# Altium PCB Board.PcbDoc (part 4 of 4)
Units mm, origin at the board's own origin, x right, y up, seen from the top; angles counter-clockwise.
Board outline 69.6 x 30 mm, 6 copper layers (Top Layer, Int1 (GND), Int2 (Sign), Int3 (Sign), Int4 (PWR), Bottom Layer), stack 1.538 mm thick; 168 components, 266 nets, 1359 pads, 531 vias.
Unrouted connection lines stored in the file: 254.
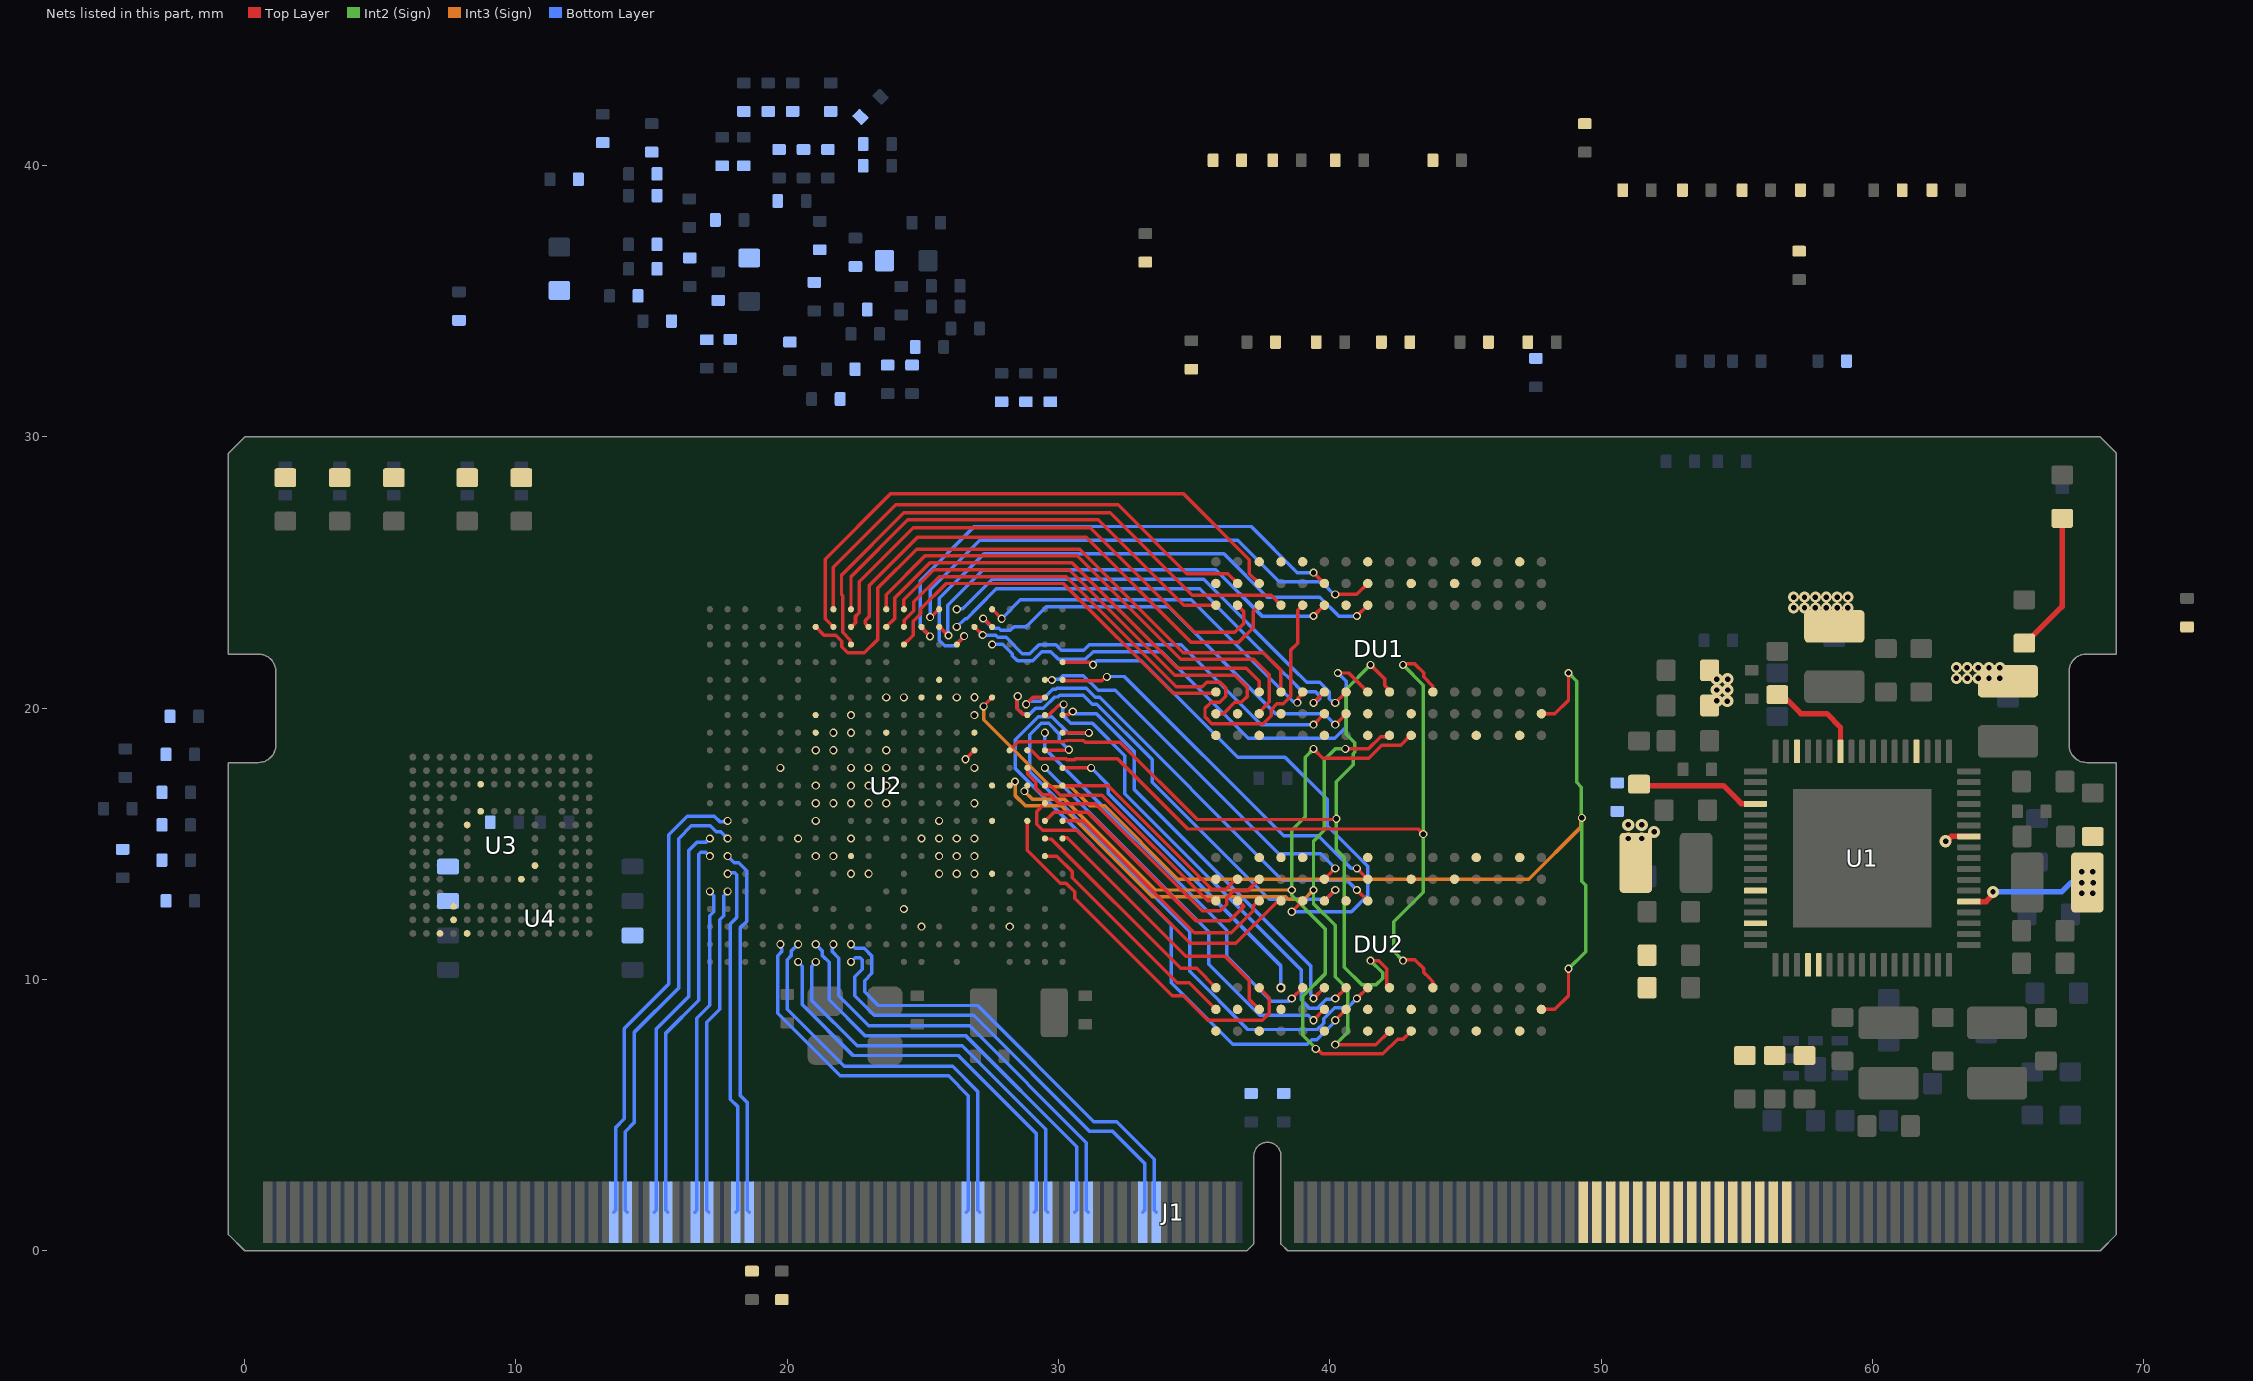
[diagram p8: the nets of this part, all layers, seen from the top]

## Via types
v1: diameter 0.3, hole 0.2, Top Layer to Bottom Layer, tented both sides, 363 vias
v2: diameter 0.45, hole 0.2, Top Layer to Bottom Layer, tented both sides, 117 vias
v3: diameter 0.4, hole 0.2, Top Layer to Bottom Layer, tented both sides, 35 vias
v4: diameter 0.8, hole 0.3, Top Layer to Bottom Layer, 16 vias

## Nets (pads, with @x,y where several pads share a name; then routed paths per layer and width w, separated by ;. In a path a pad name is that pad's centre, name@x,y a point inside that pad or via, vN(x,y) a via of type N, cw(c..) or ccw(c..) an arc to the next point about the centre after c; other vN are vias at no path point) (continued)
SDQ0: DU1.F8 U2.N20 | length 19.3
  Top Layer w0.127: U2.N20@24.95,23 24.95,22.98 25.262,22.668 v1(25.262,22.648) ; v1(39.4,25) DU1.F8@39.8,24.6
  Bottom Layer w0.127: v1(25.262,22.648) 24.9,23.01 24.9,24.7 26.9,26.7 37.1,26.7 38.8,25 v1(39.4,25)
SDQ1: DU1.H8 U2.P21 | length 19.4
  Top Layer w0.127: v1(25.265,23.359) 25.287,23.359 25.578,23.65 U2.P21@25.6,23.65 ; v1(40.2,24.2) 41,24.2 DU1.H8@41.4,24.6
  Bottom Layer w0.127: v1(25.265,23.359) 25.265,24.365 27.1,26.2 36.6,26.2 38.14,24.66 39.694,24.66 40.2,24.153 v1(40.2,24.2)
SDQ2: DU1.F7 U2.P20 | length 16.9
  Top Layer w0.127: U2.P20@25.6,23 25.612,23 25.931,22.681 v1(25.943,22.681) ; v1(39.4,23.4) DU1.F7@39.8,23.8
  Bottom Layer w0.127: 25.909,22.859 25.909,23.791 27.218,25.1 35.8,25.1 37.5,23.4 v1(39.4,23.4) ; 25.91,22.858 25.91,22.714 v1(25.943,22.681)
SDQ3: DU1.E3 U2.U21 | length 13.7
  Top Layer w0.127: U2.U21@27.55,23.65 v1(27.9,23.3) ; v1(38.807,20.209) 38.84,20.242 38.84,20.38 39,20.54 DU1.E3@39,20.6
  Bottom Layer w0.127: v1(27.9,23.3) 28.594,23.994 34.898,23.994 38.65,20.242 38.774,20.242 v1(38.807,20.209)
SDQ4: DU1.H7 U2.R19 | length 20.7
  Top Layer w0.127: U2.R19@26.25,22.35 26.25,22.37 26.519,22.639 v1(26.519,22.659) ; v1(41,23.4) DU1.H7@41.4,23.8
  Bottom Layer w0.127: v1(26.519,22.659) 26.529,22.649 26.181,22.3 25.8,22.3 25.603,22.497 25.603,22.789 25.603,23.215 25.605,23.218 25.605,24.051 27.254,25.7 36.1,25.7 37.7,24.1 39.627,24.1 40.327,23.4 v1(41,23.4)
SDQ5: DU1.F2 U2.T20 | length 15
  Top Layer w0.127: U2.T20@26.9,23 v1(27.2,22.7) ; v1(39.4,19.4) DU1.F2@39.8,19.8
  Bottom Layer w0.127: v1(27.2,22.7) 27.21,22.69 27.691,22.69 27.762,22.619 28.073,22.619 28.366,22.327 28.366,22.299 28.659,22.006 28.941,22.006 29.28,22.344 29.907,22.344 30.106,22.144 30.932,22.144 31.132,22.344 34.526,22.344 37.47,19.4 v1(39.4,19.4)
SDQ6: DU1.H3 U2.U19 | length 18.8
  Top Layer w0.127: v1(40.3,21.3) 40.7,21.3 DU1.H3@41.4,20.6
  Bottom Layer w0.127: v1(27.55,22.35) 27.55,22.437 27.586,22.437 27.657,22.366 27.94,22.366 28.3,22.006 28.3,21.941 28.489,21.752 29.046,21.752 29.385,22.091 29.709,22.091 30,21.8 30.986,21.8 31.276,22.091 33.809,22.091 37,18.9 40.182,18.9 40.6,19.318 40.6,21 v1(40.3,21.3)
SDQ7: DU1.G2 U2.U20 | length 16.3
  Top Layer w0.127: v1@27.24,23.31 U2.U20@27.55,23 U2.U20@27.571,23 ; v1(40.2,19.4) DU1.G2@40.6,19.8
  Bottom Layer w0.127: v1(27.219,23.31) 27.585,22.944 27.796,22.944 27.867,22.873 28.223,22.873 28.359,23.01 28.641,23.01 28.81,23.01 29.54,23.74 34.06,23.74 38,19.8 39.8,19.8 v1(40.2,19.4)
SDQ8: DU1.D7 U2.J19 | length 21.3
  Top Layer w0.127: U2.J19@22.35,22.35 22.33,22.37 22.33,22.511 22.044,22.797 22.044,24.156 22,24.2 22,24.9 24.3,27.2 31.9,27.2 34.934,24.166 37.835,24.166 DU1.D7@38.2,23.8
SDQ9: DU1.C8 U2.H20 | length 21.3
  Top Layer w0.127: U2.H20@21.7,23 21.394,23.306 21.394,25.494 23.8,27.9 34.617,27.9 37.035,25.482 37.035,24.966 DU1.C8@37.4,24.6
SDQ10: DU1.B8 U2.H21 | length 18.6
  Top Layer w0.127: U2.H21@21.7,23.65 21.7,25.2 24,27.5 32.2,27.5 34.734,24.966 36.235,24.966 DU1.B8@36.6,24.6
SDQ11: DU1.A7 U2.J21 | length 16.8
  Top Layer w0.127: U2.J21@22.35,23.65 22.35,24.85 24.446,26.946 31.463,26.946 34.609,23.8 DU1.A7@35.8,23.8
SDQ12: DU1.C3 U2.L20 | length 17.4
  Top Layer w0.127: U2.L20@23.65,23 23.955,23.305 23.955,24.055 25.261,25.361 30.497,25.361 34.386,21.473 36.927,21.473 37.4,21 DU1.C3@37.4,20.6
SDQ13: DU1.C2 U2.L21 | length 18.6
  Top Layer w0.127: U2.L21@23.65,23.65 23.65,24.188 25.077,25.615 30.685,25.615 34.5,21.8 37.2,21.8 37.765,21.235 37.765,20.241 37.581,20.057 37.581,20.041 37.4,19.86 DU1.C2@37.4,19.8
SDQ14: DU1.A2 U2.M21 | length 17
  Top Layer w0.127: U2.M21@24.3,23.65 24.3,24 25.408,25.108 30.392,25.108 34.281,21.219 36.497,21.219 36.965,20.751 36.965,20.449 36.732,20.216 36.499,20.216 36.083,19.8 DU1.A2@35.8,19.8
SDQ15: DU1.A3 U2.M19 | length 14.5
  Top Layer w0.127: U2.M19@24.3,22.35 24.645,22.695 24.645,23.204 24.924,23.483 24.924,23.666 25.859,24.6 30.182,24.6 34.236,20.546 35.746,20.546 DU1.A3@35.8,20.6
SDQ16: DU2.F8 U2.Y17 | length 14.3
  Top Layer w0.127: U2.Y17@29.5,21.05 29.504,21.046 29.754,21.046 v1(29.758,21.041) ; DU2.F8@39.8,13.7 v1(40.2,14.1)
  Bottom Layer w0.127: v1(29.758,21.041) 29.791,21.074 30.036,21.074 30.162,21.2 30.918,21.2 31.459,20.659 32.098,20.659 38.122,14.636 39.664,14.636 v1(40.2,14.1)
SDQ17: DU2.H8 U2.AA17 | length 14.4
  Top Layer w0.127: U2.AA17@30.15,21.05 30.191,21.009 31.593,21.009 31.739,21.155 v1(31.785,21.155) ; v1(41,14.1) DU2.H8@41.4,13.7
  Bottom Layer w0.127: v1(31.785,21.155) 31.801,21.17 32.43,21.17 38.3,15.3 39.582,15.3 40.782,14.1 v1(41,14.1)
SDQ18: DU2.H7 U2.Y16 | length 16.9
  Top Layer w0.127: v1(28.807,20.147) 29.06,20.4 U2.Y16@29.5,20.4 ; v1(41,13.3) DU2.H7@41.4,12.9
  Bottom Layer w0.127: v1(28.807,20.147) 28.915,20.255 29.34,20.255 29.786,20.701 29.902,20.701 29.94,20.738 31.021,20.738 31.354,20.405 31.514,20.405 38.255,13.665 40.635,13.665 v1(41,13.3)
SDQ19: DU2.F7 U2.W15 | length 17.8
  Top Layer w0.127: v1(28.498,20.442) 28.467,20.41 28.467,20.006 28.703,19.77 28.83,19.77 U2.W15@28.85,19.75 ; DU2.F7@39.8,12.9 v1(40.2,13.3)
  Bottom Layer w0.127: v1(28.498,20.442) 28.467,20.41 28.467,20.006 28.666,19.807 28.959,19.807 29.153,20.001 29.445,20.001 29.859,20.415 29.976,20.415 30.045,20.484 30.916,20.484 31.248,20.151 31.409,20.151 33.45,18.111 33.45,17.272 37.763,12.959 39.86,12.959 v1(40.2,13.3)
SDQ20: DU2.E3 U2.Y14 | length 14.7
  Top Layer w0.127: v1(38.6,9.3) DU2.E3@39,9.7
  Bottom Layer w0.127: v1(29.5,19.1) 29.5,18.517 36.2,11.817 36.2,10.851 37.849,9.203 38.503,9.203 v1(38.6,9.3)
SDQ21: DU2.G2 U2.AA14 | length 23.6
  Top Layer w0.127: U2.AA14@30.15,19.1 30.155,19.095 31.115,19.095 v1(31.12,19.091) ; v1(40.2,8.5) DU2.G2@40.6,8.9
  Bottom Layer w0.127: v1(31.12,19.091) 30.35,19.091 29.746,19.694 29.498,19.694 29.254,19.694 28.4,18.841 28.4,17.779 34.157,12.021 34.157,9.881 36.429,7.609 39.164,7.609 39.34,7.785 39.525,7.785 40.2,8.459 v1(40.2,8.5)
SDQ22: DU2.H3 U2.Y13 | length 22.4
  Top Layer w0.127: U2.Y13@29.5,18.45 29.511,18.46 30.372,18.46 v1(30.383,18.471) ; v1(41,9.3) DU2.H3@41.4,9.7
  Bottom Layer w0.127: v1(30.383,18.471) 30.029,18.825 30.029,19.053 29.641,19.44 29.359,19.44 28.946,19.027 28.946,17.658 34.842,11.762 34.842,10.299 36.981,8.16 39.541,8.16 39.775,8.394 39.775,8.557 40.178,8.96 40.659,8.96 v1(41,9.3)
SDQ23: DU2.F2 U2.Y12 | length 15
  Top Layer w0.127: v1(39.4,8.5) DU2.F2@39.8,8.9
  Bottom Layer w0.127: v1(29.5,17.8) 35.541,11.759 35.541,10.568 37.423,8.687 39.213,8.687 v1(39.4,8.5)
SDQ24: DU2.C8 U2.W12 | length 11.6
  Top Layer w0.127: U2.W12@28.85,17.8 28.87,17.78 28.87,17.562 29.155,17.277 29.155,17.062 29.412,16.805 29.703,16.805 30.026,16.483 31.351,16.483 35.299,12.534 35.951,12.534 36.2,12.783 36.2,13.017 36.449,13.266 36.966,13.266 DU2.C8@37.4,13.7
SDQ25: DU2.B8 U2.AA11 | length 8.2
  Top Layer w0.127: U2.AA11@30.15,17.15 31.833,17.15 35.649,13.334 36.158,13.334 36.524,13.7 DU2.B8@36.6,13.7
SDQ26: DU2.A7 U2.Y11 | length 8.1
  Top Layer w0.127: U2.Y11@29.5,17.15 29.52,17.13 29.738,17.13 30.071,16.797 31.603,16.797 35.5,12.9 DU2.A7@35.8,12.9
SDQ27: DU2.D7 U2.Y10 | length 12.4
  Top Layer w0.127: U2.Y10@29.5,16.5 29.195,16.194 29.195,15.723 29.412,15.506 30.679,15.506 34.852,11.332 36.535,11.332 38.104,12.9 DU2.D7@38.2,12.9
SDQ28: DU2.C3 U2.W9 | length 13.9
  Top Layer w0.127: U2.W9@28.85,15.85 28.85,14.768 30.062,13.556 30.277,13.556 30.6,13.232 30.6,13 34.197,9.403 34.597,9.403 35.5,8.5 37.517,8.5 37.766,8.749 37.766,9.335 DU2.C3@37.4,9.7
SDQ29: DU2.C2 U2.AA8 | length 10.3
  Top Layer w0.127: U2.AA8@30.15,15.2 30.17,15.22 30.326,15.22 34.684,10.862 36.138,10.862 37.035,9.965 37.035,9.266 DU2.C2@37.4,8.9
SDQ30: DU2.A3 U2.Y8 | length 8.6
  Top Layer w0.127: U2.Y8@29.5,15.2 29.52,15.18 29.738,15.18 34.508,10.41 35.09,10.41 DU2.A3@35.8,9.7
SDQ31: DU2.A2 U2.Y7 | length 8.8
  Top Layer w0.127: U2.Y7@29.5,14.55 29.932,14.55 30.5,13.982 30.5,13.755 34.38,9.875 34.825,9.875 DU2.A2@35.8,8.9
SDQM0: DU1.E7 U2.M20 | length 23.7
  Top Layer w0.127: U2.M20@24.3,23 24.32,23.02 24.32,23.238 24.67,23.588 24.67,23.923 25.601,24.854 30.287,24.854 34.341,20.8 35.293,20.8 35.458,20.966 35.951,20.966 36.166,20.751 36.166,20.449 35.941,20.224 35.624,20.224 35.4,20 35.4,19.683 35.649,19.435 37.551,19.435 37.835,19.718 37.835,19.951 38.049,20.166 38.282,20.166 38.566,20.449 38.566,22.147 38.82,22.401 38.82,23.62 DU1.E7@39,23.8
SDQM1: DU1.D3 U2.G20 | length 23
  Top Layer w0.127: U2.G20@21.05,23 21.355,22.695 21.788,22.695 22.005,22.477 22.005,22.262 22.223,22.045 22.845,22.045 23.344,22.544 23.344,24.444 24.769,25.869 30.79,25.869 34.605,22.054 37.546,22.054 38.2,21.4 DU1.D3@38.2,20.6
SDQM2: DU2.E7 U2.AA18 | length 19.7
  Top Layer w0.127: U2.AA18@30.16,21.71 30.17,21.7 31.128,21.7 31.224,21.604 v1(31.271,21.604) ; v1(38.6,12.5) DU2.E7@39,12.9
  Bottom Layer w0.127: v1(31.271,21.604) 31.417,21.75 33.05,21.75 36.6,18.2 38.348,18.2 39.905,16.643 39.905,15.677 41.4,14.182 41.4,13.1 40.8,12.5 v1(38.6,12.5)
SDQM3: DU2.D3 U2.AA12 | length 12
  Top Layer w0.127: U2.AA12@30.15,17.8 v1(31.2,17.8)
  Bottom Layer w0.127: v1(31.2,17.8) 31.825,17.175 31.825,16.875 38.2,10.5 v1(38.2,9.7)
SDQS0_N: DU1.G3 U2.R21 | length 17
  Top Layer w0.129: v1(40.2,20.2) DU1.G3@40.6,20.6
  Bottom Layer w0.129: v1(26.25,23.65) 26.264,23.664 26.464,23.664 27.558,24.758 35.348,24.758 38.626,21.479 39.147,20.958 39.633,20.958 39.979,20.613 39.979,20.358 40.054,20.282 40.072,20.282 40.154,20.2 v1(40.2,20.2)
SDQS0_P: DU1.F3 U2.R20 | length 16.5
  Top Layer w0.129: v1(39.4,20.2) DU1.F3@39.8,20.6
  Bottom Layer w0.129: v1(26.25,23) 26.556,23.306 26.612,23.306 27,23.694 27.706,24.4 35.2,24.4 36.447,23.153 36.7,22.9 38.247,21.353 38.5,21.1 38.999,20.601 39.485,20.601 39.621,20.465 39.621,20.358 39.546,20.282 39.528,20.282 39.446,20.2 v1(39.4,20.2)
SDQS1_N: DU1.B7 U2.J20 | length 19.3
  Top Layer w0.13: U2.J20@22.35,23 22.369,23 22.517,23.147 22.517,23.383 22.657,23.523 22.657,24.665 24.651,26.659 31.165,26.659 35.024,22.8 36.5,22.8 36.821,23.121 36.821,23.58 DU1.B7@36.6,23.8
SDQS1_P: DU1.C7 U2.K20 | length 19.3
  Top Layer w0.13: U2.K20@23,23 23,23.002 22.876,23.126 22.876,23.234 23.016,23.374 23.016,24.516 24.8,26.3 31.017,26.3 34.876,22.441 36.649,22.441 37.18,22.972 37.18,23.58 DU1.C7@37.4,23.8
SDQS2_N: DU2.G3 U2.Y15 | length 18
  Top Layer w0.129: U2.Y15@29.5,19.75 29.519,19.769 29.663,19.769 30.005,20.111 30.153,20.111 v1(30.186,20.144) ; v1(40.2,9.3) DU2.G3@40.6,9.7
  Bottom Layer w0.129: v1(30.186,20.144) 30.165,20.123 30.165,19.734 30.457,19.442 31.252,19.442 32.442,18.252 32.442,16.852 38.942,10.352 38.942,9.252 39.252,8.942 39.548,8.942 39.874,9.267 40.167,9.267 v1(40.2,9.3)
SDQS2_P: DU2.F3 U2.AA15 | length 15.8
  Top Layer w0.129: U2.AA15@30.15,19.75 30.153,19.753 30.348,19.753 30.477,19.882 v1(30.523,19.882) ; v1(39.4,9.3) DU2.F3@39.8,9.7
  Bottom Layer w0.129: v1(30.523,19.882) 30.569,19.882 30.546,19.859 30.605,19.8 31.4,19.8 32.8,18.4 32.8,17 39.3,10.5 39.3,9.447 39.4,9.346 v1(39.4,9.3)
SDQS3_N: DU2.B7 U2.Y9 | length 9.7
  Top Layer w0.13: U2.Y9@29.5,15.85 29.52,15.85 29.845,16.175 31.069,16.175 35.086,12.159 36.29,12.159 36.821,12.689 36.821,12.709 36.63,12.9 DU2.B7@36.6,12.9
SDQS3_P: DU2.C7 U2.AA9 | length 9.5
  Top Layer w0.13: U2.AA9@30.15,15.85 30.887,15.85 35.01,11.727 36.366,11.727 37.179,12.54 37.179,12.709 37.37,12.9 DU2.C7@37.4,12.9
SODT0: DU1.K1 DU2.K1 U2.W11 | length 32.1
  Top Layer w0.127: v1(28.74,16.948) 28.774,16.982 28.774,17.046 28.85,17.122 U2.W11@28.85,17.15 ; v1(39.4,18.5) 39.74,18.16 41.436,18.16 41.911,18.635 42.61,18.635 42.975,19 DU1.K1@43,19 ; v1(39.481,7.444) 39.528,7.444 39.713,7.26 41.959,7.26 42.5,7.8 42.7,7.8 DU2.K1@43,8.1
  Int2 (Sign) w0.127: v1(39.4,18.5) 39.1,18.2 39.1,16 38.6,15.5 v1(38.6,13.3) 38.6,13.1 39.84,11.86 39.84,10.222 39,9.382 39,7.953 39.481,7.472 v1(39.481,7.444)
  Int3 (Sign) w0.127: v1(28.74,16.948) 29.035,16.654 30.205,16.654 33.559,13.3 v1(38.6,13.3)
SODT1: DU1.J1 DU2.J1 U2.V11 | length 29.9
  Top Layer w0.127: U2.V11@28.2,17.15 28.224,17.15 28.374,17.3 v1(28.397,17.3) ; v1(40.2,7.6) 41.7,7.6 DU2.J1@42.2,8.1 ; v1(40.575,18.5) 41.417,18.5 41.874,18.957 42.157,18.957 DU1.J1@42.2,19
  Int2 (Sign) w0.127: v1(40.2,7.6) 40.659,8.06 40.659,9.641 40.2,10.1 40.2,12 39.4,12.8 v1(39.4,13.3) 39.4,15.1 39.8,15.5 39.8,18.1 40.2,18.5 v1(40.575,18.5)
  Int3 (Sign) w0.127: v1(28.397,17.3) 28.397,16.784 28.782,16.4 30.1,16.4 33.454,13.046 38.372,13.046 38.459,12.959 39.06,12.959 v1(39.4,13.3)
SRAS: DU1.J3 DU2.J3 U2.V13 | length 30.8
  Top Layer w0.127: U2.V13@28.2,18.45 28.509,18.759 30.19,18.759 30.225,18.794 30.277,18.794 30.294,18.811 30.918,18.811 30.979,18.75 32.265,18.75 35.115,15.9 40.217,15.9 v1(40.245,15.928) ; v1(41.5,10.7) 41.8,10.7 42.105,10.395 42.105,9.795 DU2.J3@42.2,9.7 ; v1(41.5,21.6) 42.02,21.08 42.02,20.841 42.2,20.66 DU1.J3@42.2,20.6
  Int2 (Sign) w0.127: v1(41.5,10.7) 41.947,10.253 41.947,10.047 41.7,9.8 41.2,9.8 40.541,10.459 40.541,14.5 40.245,14.795 40.245,17.29 40.868,17.913 40.868,18.328 40.915,18.374 40.915,18.734 40.6,19.05 40.6,20.7 v1(41.5,21.6)
SRST: DU1.T2 DU2.T2 U2.U16 | length 42.4
  Top Layer w0.127: v1@27.24,20.09 U2.U16@27.55,20.4 ; DU2.T2@47.8,8.9 48.3,8.9 48.8,9.4 v1(48.8,10.4) ; DU1.T2@47.8,19.8 48.3,19.8 48.8,20.3 v1(48.8,21.3)
  Int2 (Sign) w0.127: v1(48.8,10.4) 49.431,11.031 49.431,13.484 49.292,13.623 v1(49.292,15.96) 49.277,15.975 49.277,17.088 49.1,17.266 49.1,21 v1(48.8,21.3)
  Int3 (Sign) w0.127: v1(27.24,20.069) 27.241,20.068 27.241,19.578 29.714,17.104 30.455,17.104 31.159,16.4 31.7,16.4 34.4,13.7 47.336,13.7 49.259,15.624 49.259,15.927 v1(49.292,15.96)
SVREF: C80.1 C81.2 C82.2 C83.2 C113.2 DU1.H1 DU1.M8 DU2.H1 DU2.M8 R24.1 R25.2 U2.T16
  other v1: 26.904,20.405
SWE: DU1.L3 DU2.L3 U2.W13 | length 31.2
  Top Layer w0.127: U2.W13@28.85,18.45 28.87,18.43 29.011,18.43 29.301,18.14 30.278,18.14 30.309,18.109 30.591,18.109 30.622,18.14 32.173,18.14 34.765,15.549 43.26,15.549 v1(43.447,15.361) ; v1(42.7,21.6) 42.733,21.633 43.133,21.633 43.459,21.307 43.459,21.159 43.8,20.818 DU1.L3@43.8,20.6 ; v1@42.733,10.733 43.133,10.733 43.459,10.407 43.459,10.259 43.659,10.059 43.8,9.918 DU2.L3@43.8,9.7
  Int2 (Sign) w0.127: v1(42.7,10.7) 42.359,11.04 42.359,12.136 43.447,13.223 v1(43.447,15.361) 43.447,20.853 v1(42.7,21.6)
TX0_N: J1.114 U2.F1 | length 15.2
  Bottom Layer w0.128: v1(20.4,10.65) 20.4,10.635 20.547,10.489 20.547,9.079 22.426,7.2 26.3,7.2 29.172,4.328 29.172,1.493 J1.114@29.1,1.422
TX0_P: J1.116 U2.G1 | length 15.2
  Bottom Layer w0.128: v1(21.05,10.65) 21.05,10.635 20.904,10.489 20.904,9.227 22.574,7.557 26.448,7.557 29.529,4.476 29.529,1.493 J1.116@29.6,1.422
TX1_N: J1.120 U2.G2 | length 16.1
  Bottom Layer w0.128: v1(21.05,11.3) 21.297,11.053 21.297,10.885 21.543,10.639 21.543,9.252 22.859,7.936 26.573,7.936 30.672,3.837 30.672,1.494 J1.120@30.6,1.422
TX1_P: J1.122 U2.H2 | length 16
  Bottom Layer w0.128: v1(21.7,11.3) 21.667,11.267 21.667,11.152 21.654,11.139 21.654,11.033 21.9,10.787 21.9,9.4 23.007,8.293 26.721,8.293 31.029,3.985 31.029,1.494 J1.122@31.1,1.422
TX2_N: J1.132 U2.J2 | length 17.6
  Bottom Layer w0.128: v1(22.35,11.3) 22.364,11.3 22.511,11.153 22.834,11.153 23.118,10.869 23.118,10.226 22.852,9.961 22.852,9.552 23.362,9.043 27.017,9.043 31.303,4.757 32.148,4.757 33.528,3.376 33.528,1.493 J1.132@33.6,1.422
TX2_P: J1.130 U2.J1 | length 17
  Bottom Layer w0.128: v1(22.35,10.65) 22.364,10.65 22.511,10.796 22.686,10.796 22.761,10.721 22.761,10.374 22.495,10.109 22.495,9.405 23.214,8.686 26.869,8.686 31.155,4.4 32,4.4 33.171,3.229 33.171,1.493 J1.130@33.1,1.422
TXC_N: J1.104 U2.E2 | length 15.2
  Bottom Layer w0.128: v1(19.75,11.3) 19.783,11.267 19.783,11.152 19.796,11.139 19.796,11.033 19.643,10.88 19.643,8.752 21.948,6.448 25.948,6.448 26.672,5.724 26.672,1.494 J1.104@26.6,1.422
TXC_P: J1.106 U2.F2 | length 15.3
  Bottom Layer w0.128: v1(20.4,11.3) 20.153,11.053 20.153,10.885 20,10.732 20,8.9 22.095,6.805 26.095,6.805 27.029,5.871 27.029,1.494 J1.106@27.1,1.422
USB0_N: J1.66 U2.B5 | length 12.2
  Bottom Layer w0.13: J1.66@17.1,1.422 17.029,1.493 17.029,8.422 17.506,8.899 17.506,12.205 17.654,12.354 17.654,13.089 17.8,13.235 v1(17.8,13.25)
USB0_P: J1.64 U2.A5 | length 12.2
  Bottom Layer w0.13: J1.64@16.6,1.422 16.671,1.493 16.671,8.571 17.147,9.047 17.147,12.353 17.296,12.502 17.296,13.089 17.15,13.235 v1(17.15,13.25)
USB1_N: J1.72 U2.B7 | length 13.8
  Bottom Layer w0.13: v1(17.8,14.55) 18.05,14.3 18.217,14.3 18.503,14.014 18.503,12.141 18.261,11.898 18.261,5.738 18.529,5.469 18.529,1.493 J1.72@18.6,1.422
USB1_P: J1.70 U2.B6 | length 13.1
  Bottom Layer w0.13: v1(17.8,13.9) 17.833,13.933 17.952,13.933 17.961,13.941 18.068,13.941 18.144,13.865 18.144,12.289 17.902,12.047 17.902,5.589 18.171,5.321 18.171,1.493 J1.70@18.1,1.422
USB2_N: J1.58 U2.A8 | length 14.8
  Bottom Layer w0.13: J1.58@15.1,1.422 15.171,1.493 15.171,8.178 16.378,9.385 16.378,14.768 16.664,15.054 16.989,15.054 17.135,15.2 v1(17.15,15.2)
USB2_P: J1.60 U2.A7 | length 14.2
  Bottom Layer w0.13: J1.60@15.6,1.422 15.529,1.493 15.529,8.029 16.737,9.237 16.737,14.62 16.812,14.696 16.989,14.696 17.135,14.55 v1(17.15,14.55)
USB3_N: J1.52 U2.B9 | length 17.3
  Bottom Layer w0.13: J1.52@13.6,1.422 13.671,1.493 13.671,4.541 13.995,4.866 13.995,8.195 15.636,9.836 15.636,15.344 16.319,16.026 17.314,16.026 17.532,15.809 17.639,15.809 17.647,15.817 17.767,15.817 v1(17.8,15.85)
USB3_P: J1.54 U2.B8 | length 16.8
  Bottom Layer w0.13: J1.54@14.1,1.422 14.029,1.493 14.029,4.393 14.354,4.717 14.354,8.046 15.995,9.688 15.995,15.195 16.468,15.668 17.166,15.668 17.383,15.45 17.55,15.45 v1(17.8,15.2)
VCC3V3-AUDIO: C28.1 C29.2 C61.2 C62.2 C63.2 C64.2 U1.32 U2.G9 U2.V3
  other v1: 28.2,11.95 21.05,15.85
  other v2: 54.265,20.274 54.653,20.266 54.265,20.674 54.665,20.674 54.265,21.074 54.665,21.074
VCC3V3-EMMC: C10.1 C24.2 C25.2 C26.2 C53.2 C54.2 C69.2 C70.2 C71.1 C72.2 C73.2 C74.2 C75.2 C76.2 C77.2 C114.2 C116.2 C117.2 C118.2 L2.2 LED1.1 LED2.1 LED3.1 LED4.1 LED5.1 LED6.1 R16.1 R17.2 U1.21 U2.G7 U2.G10 U2.G11 U2.G13 U2.G14 U2.G15 U2.H7 U2.H13 U2.H14 U2.J6 U2.J14 U2.J15 U2.N3 U3.C6 U3.E6 U3.F5 U3.J10 U3.K9 U3.M4 U3.N4 U3.P3 U3.P5 U4.3 U4.7 U4.8 | length 5.2
  Top Layer w0.2: C10.1@65.6,22.4 65.65,22.4 67,23.75 LED1.1@67,27
  other v1: 24.95,11.95 22.35,13.9 21.05,14.55 21.7,14.55 21.05,16.5 21.05,17.15 19.75,17.8 21.05,18.45 21.7,18.45 21.7,19.1 22.35,19.1 22.35,19.75
  other v3: 63.1,21.1 63.5,21.1 63.9,21.1 64.3,21.1 64.7,21.1 63.1,21.5 63.5,21.5 63.9,21.5 64.3,21.5 64.7,21.5
VCC3V3-RTC: R5.2 R7.2 R9.2 R13.2 R14.2 U1.11 U1.46 U2.K6 | length 0.9
  Top Layer w0.2: v2(62.7,15.1) 62.735,15.1 62.91,15.275 U1.11@63.56,15.275
  other v1: 23,13.9
VCC-1V2-CPU: C11.1 C34.2 C35.2 C36.2 C37.2 C38.2 C60.2 L3.2 U1.28 U2.J7 U2.J8 U2.N8 U2.P6 U2.P7 U2.P8 U2.P9 U2.R6 U2.R7 U2.R8 U2.T6 U2.T7 U2.T8 U2.T10 U2.U6 U2.U9 | length 3.5
  Top Layer w0.2: C11.1@56.662,20.5 57.362,19.8 58.322,19.8 58.825,19.297 U1.28@58.825,18.41
  other v1: 25.6,13.9 26.25,13.9 26.9,13.9 25.6,14.55 26.25,14.55 26.9,14.55 22.35,15.2 24.95,15.2 25.6,15.2 26.25,15.2 26.9,15.2 25.6,15.85 26.9,16.5
  other v3: 57.1,23.7 57.5,23.7 57.9,23.7 58.3,23.7 58.7,23.7 59.1,23.7 57.1,24.1 57.5,24.1 57.9,24.1 58.3,24.1 58.7,24.1 59.1,24.1
VCC-1V2-SYS: C27.1 C39.2 C40.2 C41.2 C42.2 C43.2 L5.2 R11.1 U1.38 U2.H10 U2.J10 U2.J11 U2.J12 U2.K10 U2.K11 U2.K12 U2.L10 U2.L11 U2.L12 U2.L13 U2.L14 | length 4.8
  Top Layer w0.2: C27.1@51.154,17.146 54.512,17.146 55.1,16.558 55.101,16.558 55.174,16.485 55.68,16.485 U1.38@55.69,16.475
  other v1: 21.7,16.5 22.35,16.5 23,16.5 23.65,16.5 22.35,17.15 23,17.15 23.65,17.15 22.35,17.8 22.995,17.804 23.65,17.8 23.65,18.45
  other v2: 51,15.2 51.5,15.2 51.955,15.444 51,15.7 51.5,15.7
VCC-1V5: C12.1 C80.2 C84.2 C85.2 C86.1 C87.2 C88.2 C89.2 C90.2 C91.2 C92.2 C93.2 C94.2 C95.2 C96.2 C97.2 C98.1 C99.2 C100.2 C101.2 C102.2 C103.2 C104.2 C105.1 C106.2 C107.2 C108.2 C109.2 C110.2 C111.2 C112.2 DU1.A1 DU1.A8 DU1.B2 DU1.C1 DU1.C9 DU1.D2 DU1.D9 DU1.E9 DU1.F1 DU1.G7 DU1.H2 DU1.H9 DU1.K2 DU1.K8 DU1.N1 DU1.N9 DU1.R1 DU1.R9 DU2.A1 DU2.A8 DU2.B2 DU2.C1 DU2.C9 DU2.D2 DU2.D9 DU2.E9 DU2.F1 DU2.G7 DU2.H2 DU2.H9 DU2.K2 DU2.K8 DU2.N1 DU2.N9 DU2.R1 DU2.R9 L4.2 R24.2 U1.5 U2.L16 U2.M16 U2.N16 U2.P16 U2.P17 U2.R16 U2.T12 U2.T13 U2.T14 U2.T15 U2.U11 | length 5
  Top Layer w0.127: v1(26.571,18.121) U2.T13@26.9,18.45
  Top Layer w0.2: U1.5@63.56,12.875 64.194,12.875 64.411,13.091 64.411,13.194 v2(64.449,13.232)
  Bottom Layer w0.2: v2(64.449,13.232) 66.982,13.232 67.325,13.575 v2(67.725,13.575)
  other v1: 26.9,17.8 26.9,19.75 23.65,20.4 24.3,20.4 26.25,20.4
  other v2: 67.725,13.175 68.125,13.175 68.142,13.568 67.725,13.975 68.125,13.975
VCC-5V: C21.2 C22.2 C23.2 J1.203 J1.205 J1.207 J1.209 J1.211 J1.213 J1.215 J1.217 U1.55 U1.56
VCC-BAT: C3.2 J1.187 J1.189 J1.191 J1.193 J1.195 J1.197 J1.199 J1.201 R6.2 U1.49
VDD1V2-EPHY: C115.2 R11.2 U2.F8
  other v1: 20.4,15.2
VDD-CPUS: C55.2 U2.M4
  other v1: 24.3,12.6
pads on no net: J1.82 J1.88 J1.98 J1.145 J1.147 J1.149 J1.151 J1.153 J1.155 J1.157 J1.159 J1.161 J1.163 J1.165 J1.167 J1.169 J1.170 J1.171 J1.172 J1.173 J1.174 J1.175 J1.176 J1.177 J1.178 J1.179 J1.180 J1.181 J1.182 J1.183 J1.184 J1.185 J1.186 J1.188 J1.190 J1.192 J1.194 J1.196 J1.198 J1.200 J1.202 J1.204 J1.206 J1.208 J1.210 J1.214 J1.220 J1.226 J1.234 J1.237 J1.238 J1.243 J1.249 J1.255 U1.34 U1.36 U1.48 U1.52 U2.A1 U2.A3 U2.A4 U2.A16 U2.B2 U2.B3 U2.B4 U2.B21 U2.F6 U2.F16 U2.F20 U2.K4 U2.L5 U2.L17 U2.N2 U2.P3 U2.R1 U2.R2 U2.T2 U2.T3 U2.T4 U2.T5 U2.W3 U3.A1 U3.A2 U3.A7 U3.A8 U3.A9 U3.A10 U3.A11 U3.A12 U3.A13 U3.A14 U3.B1 U3.B7 U3.B8 U3.B9 U3.B10 U3.B11 U3.B12 U3.B13 U3.B14 U3.C1 U3.C3 U3.C5 U3.C7 U3.C8 U3.C9 U3.C10 U3.C11 U3.C12 U3.C13 U3.C14 U3.D1 U3.D2 U3.D3 U3.D4 U3.D12 U3.D13 U3.D14 U3.E1 U3.E2 U3.E3 U3.E5 U3.E8 U3.E9 U3.E10 U3.E12 U3.E13 U3.E14 U3.F1 U3.F2 U3.F3 U3.F10 U3.F12 U3.F13 U3.F14 U3.G1 U3.G2 U3.G3 U3.G10 U3.G12 U3.G13 U3.G14 U3.H1 U3.H2 U3.H3 U3.H5 U3.H12 U3.H13 U3.H14 U3.J1 U3.J2 U3.J3 U3.J12 U3.J13 U3.J14 U3.K1 U3.K2 U3.K3 U3.K6 U3.K7 U3.K10 U3.K12 U3.K13 U3.K14 U3.L1 U3.L2 U3.L3 U3.L12 U3.L13 U3.L14 U3.M1 U3.M2 U3.M3 U3.M7 U3.M8 U3.M9 U3.M10 U3.M11 U3.M12 U3.M13 U3.M14 U3.N1 U3.N3 U3.N6 U3.N7 U3.N8 U3.N9 U3.N10 U3.N11 U3.N12 U3.N13 U3.N14 U3.P1 U3.P2 U3.P7 U3.P8 U3.P9 U3.P10 U3.P11 U3.P12 U3.P13 U3.P14
copper on no net:
  other v1: 46.8,11 48.8,11 42.7,11.2 44.8,11.6 45.8,11.6 47.8,11.6 41.5,11.7 39.5,21.3 40.3,21.9 46.8,21.9 48.8,21.9 42.7,22.1 44.8,22.5 45.8,22.5 47.8,22.5

## Polygon pours and split planes (outlines as drawn)
VCC-BAT on Top Layer "VCC-BAT_L01_P016" (solid, pour order 16): 51.958,11.492 53.068,11.492 53.068,9.168 54.181,9.15 54.181,0.3 49.2,0.3 49.2,6.5 51.3,8.6 51.3,11.492
VCC-5V on Top Layer "VCC-5V_L01_P000" (solid, pour order 0): 53.2,0.29 53.2,6.573 54.91,8.2 56.669,8.2 57.398,8.929 57.398,10.567 58.23,10.577 58.23,6.23 57,5 57,0.327
NetC3_1 on Top Layer "NETC3_1_L01_P017" (solid, pour order 17): 54.123,11.4 54.474,11.8 55.12,11.8 55.652,11.8 55.652,10.752 54.2,9.3 52.9,9.3 52.9,11.4
VCC3V3-EMMC on Top Layer "VCC3V3-EMMC_L01_P029" (solid, pour order 29): 66.087,22.7 66.087,20.4 63.153,20.4 62.125,19.298 62.125,17.975 61.525,17.975 61.525,20.625 63.6,22.7
NetC17_1 on Top Layer "NETC17_1_L01_P037" (solid, pour order 37): 65.625,15.675 63.125,15.675 63.125,14.275 65.625,14.275
NetC16_1 on Top Layer "NETC16_1_L01_P039" (solid, pour order 39): 63.188,14.686 66.414,14.686 66.425,14.675 66.425,11.4 65.3,11.4 63.15,11.4 63.125,13.575 63.125,13.975 63.125,14.608
NetC17_1 on Top Layer "NETC17_1_L01_P041" (solid, pour order 41): 63.1,11.193 65.595,11.193 65.8,10.988 65.8,10.2 65.5,9.9 64.1,9.9 63.1,10.9
NetC17_1 on Top Layer "NETC17_1_L01_P044" (solid, pour order 44): 63.155,15.905 65.105,15.905 65.9,16.7 65.9,17.7 65.2,17.7 64.7,17.2 64.7,16.652 64.229,16.181 63.146,16.181
NetC14_1 on Top Layer "NETC14_1_L01_P045" (solid, pour order 45): 63.116,16.376 63.193,16.3 64.7,16.3 64.7,17.2 66.1,18.6 66.1,20.2 63.9,20.2 63.9,18.655 63.123,17.878
NetC17_1 on Top Layer "NETC17_1_L01_P046" (solid, pour order 46): 63.391,17.979 63.784,18.373 63.784,20.016 63.5,20.3 63.07,20.3 62.6,19.83 62.6,17.979
NetC17_1 on Top Layer "NETC17_1_L01_P047" (solid, pour order 47): 61.1,18 61.1,19.2 61.3,19.4 61.3,20.8 61,21.1 60.1,21.1 60,21 60,19.76 60.626,19.133 60.626,18
NetC15_1 on Top Layer "NETC15_1_L01_P048" (solid, pour order 48): 60.638,17.997 60.638,19.067 60,19.705 60,21.6 57.6,21.6 57.3,21.3 57.3,18.41 59.904,18.41 59.902,17.998
NetC17_1 on Top Layer "NETC17_1_L01_P050" (solid, pour order 50): 56.104,16.194 56.104,15.807 53,15.807 53,17.116 55.404,17.116 56.104,16.416
NetC2_1 on Top Layer "NETC2_1_L01_P052" (solid, pour order 52): 54.3,19.4 56.185,19.4 56.185,17.579 53.884,17.579 53.884,18.984
NetL1_2 on Top Layer "NETL1_2_L01_P053" (solid, pour order 53): 59.1,11 59.1,7.8 61.704,7.8 61.696,9.012 61.338,9.005 61.152,9.477 60.446,9.457 60.153,9.749 60.15,11
NetC17_1 on Top Layer "NETC17_1_L01_P057" (solid, pour order 57): 63.014,8.19 63.014,9.073 61.521,10.566 61.521,11 61.038,11 61.038,8.204
NetC44_1 on Top Layer "NETC44_1_L01_P058" (solid, pour order 58): 62.3,10.9 62.3,9.62 63.146,8.774 63.146,8.079 63.525,7.7 66.824,7.7 66.824,8.969 65.831,8.969 65.496,9.304 63.9,10.9 63.1,10.9
NetC5_1 on Top Layer "NETC5_1_L01_P059" (solid, pour order 59): 58.23,7.63 58,7.4 58,6.5 59,5.5 61.7,5.5 61.704,5.504 61.704,7.89 61.194,8.4 58.3,8.4
VCC-1V2-CPU on Top Layer "VCC-1V2-CPU_L01_P061" (solid, pour order 61): 60,24 60,21.6 58.7,20.3 56.8,20.3 56.5,20.6 56.5,23.9 57.2,24.6 59.4,24.6
NetC48_2 on Top Layer "NETC48_2_L01_P068" (solid, pour order 68): 60.7,0.3 62.2,0.3 62.2,5.1 62,5.3 61.1,5.3 60.7,4.9
VCC3V3-AUDIO on Top Layer "VCC3V3-AUDIO_L01_P071" (solid, pour order 71): 57.518,17.994 57.518,19.082 54.8,21.8 53.6,21.8 53.6,19.8 53.7,19.7 53.7,19.22 54.926,17.994
VCC-1V2-SYS on Top Layer "VCC-1V2-SYS_L01_P077" (solid, pour order 77): 51.7,13.1 52.6,14 52.6,17.1 51.9,17.8 50.7,17.8 50.2,17.3 50.2,13.8 50.9,13.1
VCC-BAT on Top Layer "VCC-BAT_L01_P078" (solid, pour order 78): 56.1,11.4 52.939,11.4 52.839,11.3 51.3,11.3 51.3,11.492 51.75,11.941 53.655,11.941 53.897,12.184 56.1,12.184
VCC-1V5 on Top Layer "VCC-1V5_L01_P040" (solid, pour order 40): 67.33,15.6 67.33,14.368 68.53,14.368 68.53,15.6
NetC17_1 on Top Layer "NETC17_1_L01_P022" (solid, pour order 22): 57.388,10.4 57.388,8.987 56.518,8.073 54.827,8.073 54.181,8.719 54.208,10.4
NetC30_1 on Top Layer "NETC30_1_L01_P051" (solid, pour order 51): 53.293,15.793 52.916,15.416 52.916,13.2 54.2,13.2 54.2,14.64 54.56,15 56.1,15 56.1,15.793
NetC17_1 on Top Layer "NETC17_1_L01_P049" (solid, pour order 49): 57.137,17.965 57.137,18.763 56.533,19.367 54.967,19.367 54.8,19.2 54.8,18.8 56.563,18.8 56.563,17.965
NetC44_1 on Top Layer "NETC44_1_L01_P067" (solid, pour order 67): 62.836,0.294 63.762,0.294 63.762,5.087 63.562,5.287 62.362,5.287 62.362,0.294
NetC49_2 on Top Layer "NETC49_2_L01_P066" (solid, pour order 66): 64.175,0.307 65.1,0.307 65.1,5.1 64.9,5.3 63.7,5.3 63.7,0.307
NetC50_2 on Top Layer "NETC50_2_L01_P065" (solid, pour order 65): 66.5,0.3 65.2,0.3 65.2,5.3 66.7,5.3 66.7,0.458 66.51,0.268
NetC51_2 on Top Layer "NETC51_2_L01_P064" (solid, pour order 64): 67.804,5.296 68,5.1 68,3 67.5,2.5 67.5,0.3 66.7,0.3 66.7,5.302
NetC9_2 on Top Layer "NETC9_2_L01_P055" (solid, pour order 55): 60.206,10.95 61.035,10.95 61.035,9.358 60.206,9.358
GND on Top Layer "NONET_L01_P080" (solid, remove dead copper, shelved, pour order 80): 0,0 -0.6,0.6 -0.6,18 0.5,18 ccw(c0.5,18.65) 1.15,18.65 1.15,21.35 ccw(c0.5,21.35) 0.5,22 -0.6,22 -0.6,29.4 0,30 68.4,30 69,29.4 69,22 67.9,22 ccw(c67.9,21.35) 67.25,21.35 67.25,18.65 ccw(c67.9,18.65) 67.9,18 69,18 69,0.6 68.4,0 38.45,0 38.2,0.25 38.2,3.5 ccw(c37.7,3.5) 37.2,3.5 37.2,0.25 36.95,0
NetC17_1 on Bottom Layer "NETC17_1_L06_P018" (solid, pour order 18): 52.5,17.65 54.825,19.975 63.325,19.975 65.8,17.5 65.8,11 62.075,7.275 55.125,7.275 52.5,9.9
NetC3_1 on Bottom Layer "NETC3_1_L06_P030" (solid, pour order 30): 56.4,7.5 56.4,6.1 56.8,5.7 58.8,5.7 59.4,6.3 59.4,8 59.215,8.185 57,8.185
NetJ1_230 on Bottom Layer "NETJ1_230_L06_P062" (solid, pour order 62): 59.6,0.3 59.939,0.3 61.5,0.3 61.5,4.1 59.9,4.1 59.6,3.8
NetJ1_222 on Bottom Layer "NETJ1_222_L06_P070" (solid, pour order 70): 59.3,0.3 59.3,3.791 59.045,4.046 58.153,4.046 57.9,3.793 57.9,0.3
NetJ1_216 on Bottom Layer "NETJ1_216_L06_P072" (solid, pour order 72): 57.902,0.3 57.902,3.998 57.8,4.1 56.2,4.1 55.6,3.5 55.6,0.3
VCC-1V2-SYS on Bottom Layer "VCC-1V2-SYS_L06_P076" (solid, pour order 76): 50.199,15.001 50.2,16.1 50.7,16.6 51.8,16.6 52.4,16 52.4,15.216 51.904,14.7 50.5,14.7
NetC17_1 on Bottom Layer "NETC17_1_L06_P060" (solid, pour order 60): 64.8,17.4 65.1,17.7 65.4,17.7 66.5,16.6 66.5,15.976 66.349,15.824 64.8,15.824
GND on Bottom Layer "GND_L06_P008" (solid, pour order 8): 57.084,17.047 62.225,17.047 62.225,11.903 62.212,11.917 57.084,11.917
GND on Bottom Layer "NONET_L06_P088" (solid, remove dead copper, shelved, pour order 88): 0,0 -0.6,0.6 -0.6,18 0.5,18 ccw(c0.5,18.65) 1.15,18.65 1.15,21.35 ccw(c0.5,21.35) 0.5,22 -0.6,22 -0.6,29.4 0,30 68.4,30 69,29.4 69,22 67.9,22 ccw(c67.9,21.35) 67.25,21.35 67.25,18.65 ccw(c67.9,18.65) 67.9,18 69,18 69,0.6 68.4,0 38.45,0 38.2,0.25 38.2,3.5 ccw(c37.7,3.5) 37.2,3.5 37.2,0.25 36.95,0
NetJ1_222 on Int3 (Sign) "NETJ1_222_L04_P073" (solid, pour order 73): 58.3,4.3 59.1,4.3 59.256,4.144 59.256,3.356 58.9,3 58.1,3 57.9,3.2 57.9,3.9
NetJ1_216 on Int3 (Sign) "NETJ1_216_L04_P075" (solid, pour order 75): 56.9,4.3 57.7,4.3 57.856,4.144 57.856,3.356 57.5,3 56.9,3 56.5,3.4 56.5,3.9
GND on Int1 (GND) "NONET_L02_P074" (solid, remove dead copper, shelved, pour order 74): 0,0 -0.6,0.6 -0.6,18 0.5,18 ccw(c0.5,18.65) 1.15,18.65 1.15,21.35 ccw(c0.5,21.35) 0.5,22 -0.6,22 -0.6,29.4 0,30 68.4,30 69,29.4 69,22 67.9,22 ccw(c67.9,21.35) 67.25,21.35 67.25,18.65 ccw(c67.9,18.65) 67.9,18 69,18 69,0.6 68.4,0 38.45,0 38.2,0.25 38.2,3.5 ccw(c37.7,3.5) 37.2,3.5 37.2,0.25 36.95,0
VCC-1V2-SYS on Int4 (PWR) "VCC-1V2-SYS_L05_P089" (solid, remove dead copper, pour order 89): 50.4,16.5 50.9,16.5 51.7,16.5 52.499,15.632 52.501,7.601 50,5.1 31.5,5.1 22.35,14.25 22.35,19.1 22.901,19.651 25.749,19.651 26.703,18.697 26.703,16.197 35.6,7.3 48,7.3 49.8,9.1 49.8,15.9
VCC-1V2-CPU on Int4 (PWR) "VCC-1V2-CPU_L05_P079" (solid, pour order 79): 59.4,24.4 60.1,23.7 60.1,23.15 59.65,22.7 38.1,22.7 28.885,13.485 25.915,13.485 24.949,14.451 24.951,16.151 26.252,17.452 29.752,17.452 36.7,24.4
VCC-1V5 on Int4 (PWR) "VCC-1V5_L05_P086" (solid, pour order 86): 66.5,13.714 67.394,12.82 68.32,12.82 68.7,13.2 68.7,16.8 67.136,18.364 67.136,23.664 62.8,28 31.5,28 25.198,21.698 25.198,20.202 26.3,19.1 28.4,19.1 35.3,26 60.7,26 65.4,21.3 65.4,17.9 66.5,16.8
VCC3V3-EMMC on Int4 (PWR) "VCC3V3-EMMC_L05_P085" (solid, pour order 85): 62.974,20 65.1,20 65.4,20.3 65.4,22.1 61.4,26.1 35.3,26.1 28.6,19.4 27.1,19.4 25.15,21.35 21.25,21.35 19.6,19.7 19.6,13.9 20.2,13.3 22.3,13.3 22.684,13.684 22.684,15.766 22.713,18.516 23.282,19.249 24.241,19.222 26.163,17.6 30.3,17.6 36.9,24.2 58.211,24.2
NetC44_1 on Int4 (PWR) "NETC44_1_L05_P069" (solid, pour order 69): 63.591,9.896 64.904,9.896 65.2,9.6 65.2,9 64.9,8.7 63.6,8.7 63.3,9 63.3,9.597

## Keep-outs
Keep-Out Layer:
  lines w0.1: -0.6,0.6 -0.6,18 ; -0.6,0.6 0,0 ; -0.6,0.6 -0.6,18 ; -0.6,0.6 0,0 ; -0.6,18 0.5,18 ; -0.6,18 0.5,18 ; -0.6,22 -0.6,29.4 ; -0.6,22 0.5,22 ; -0.6,22 -0.6,29.4 ; -0.6,22 0.5,22 ; -0.6,29.4 0,30 ; -0.6,29.4 0,30 ; 0,0 36.95,0 ; 0,0 36.95,0 ; 0,30 68.4,30 ; 0,30 68.4,30 ; 0.5,18 ccw(c0.5,18.65) 1.15,18.65 ; 0.5,18 ccw(c0.5,18.65) 1.15,18.65 ; 0.5,22 cw(c0.5,21.35) 1.15,21.35 ; 0.5,22 cw(c0.5,21.35) 1.15,21.35 ; 1.15,18.65 1.15,21.35 ; 1.15,18.65 1.15,21.35 ; 36.95,0 37.2,0.25 ; 36.95,0 37.2,0.25 ; 37.2,0.25 37.2,3.5 ; 37.2,0.25 37.2,3.5 ; 37.2,3.5 cw(c37.7,3.5) 38.2,3.5 ; 37.2,3.5 cw(c37.7,3.5) 38.2,3.5 ; 38.2,0.25 38.2,3.5 ; 38.2,0.25 38.45,0 ; 38.2,0.25 38.2,3.5 ; 38.2,0.25 38.45,0 ; 38.45,0 68.4,0 ; 38.45,0 68.4,0 ; 67.25,18.65 ccw(c67.9,18.65) 67.9,18 ; 67.25,18.65 ccw(c67.9,18.65) 67.9,18 ; 67.25,18.65 67.25,21.35 ; 67.25,18.65 67.25,21.35 ; 67.25,21.35 cw(c67.9,21.35) 67.9,22 ; 67.25,21.35 cw(c67.9,21.35) 67.9,22 ; 67.9,18 69,18 ; 67.9,18 69,18 ; 67.9,22 69,22 ; 67.9,22 69,22 ; 68.4,0 69,0.6 ; 68.4,0 69,0.6 ; 68.4,30 69,29.4 ; 68.4,30 69,29.4 ; 69,0.6 69,18 ; 69,0.6 69,18 ; 69,22 69,29.4 ; 69,22 69,29.4

## Silkscreen, mask and mechanical layers (free items; w line width, h text height)
Top Overlay:
  region: 1.4,17.7 0.4,16.7 -0.6,16.7 -0.6,14.2 0.4,14.2 1.4,15.2
  region: 1.4,14.2 0.4,13.2 -0.6,13.2 -0.6,10.7 0.4,10.7 1.4,11.7
  region: 1.4,10.7 0.4,9.7 -0.6,9.7 -0.6,7.2 0.4,7.2 1.4,8.2
  region: 1.4,7.2 0.4,6.2 -0.6,6.2 -0.6,3.7 0.4,3.7 1.4,4.7
  region: 43.5,30 42.5,29 42.5,28 40,28 40,29 41,30
  region: 47,30 46,29 46,28 43.5,28 43.5,29 44.5,30
  region: 50.5,30 49.5,29 49.5,28 47,28 47,29 48,30
  region: 54,30 53,29 53,28 50.5,28 50.5,29 51.5,30
  region: 57.5,30 56.5,29 56.5,28 54,28 54,29 55,30
  region: 61,30 60,29 60,28 57.5,28 57.5,29 58.5,30
  region: 64.5,30 63.5,29 63.5,28 61,28 61,29 62,30
  text "LNK" at 1.05,25.85 h0.8 r270
  text "SPD" at 3.05,25.85 h0.8 r270
  text "ERR" at 5.15,25.85 h0.8 r270
  text "HDD" at 7.85,25.85 h0.8 r270
  text "ID" at 9.85,25.85 h0.8 r270
  text "PWR" at 66.275,25.825 h0.8 r270
  text "Quad Core       ARM Cortex-A7" at 16.4,24.9 h2
  text "EMMC 64GB" at 3.3,5.8 h2
  text "2GB DDR3" at 38.925,4.1 h2
Bottom Overlay:
  drawing of 7 lines, arcs and shapes, not listed
  text "v0.1 Alpha" at 50.8,22.233 h1
  text "Wuhu IDC" at 39.6,20 h0.9
  text "LUCKY STAR" at 51.3,20 h1
  text "ATTENTION!!!" at 27.8,6.3 h1
  text "THIS IS NOT A SODIMM MEMORY!!!" at 29.4,4 h1
Top Paste:
  text "Impedance" at -0.946,65.862 h1
  text "Value" at 13.454,65.862 h1
  text "Line Width" at 25.854,65.862 h1
  text "Line Clearance" at 37.167,65.862 h1
  text "/" at 37.067,60.77 h1
  text "Single-Ended" at -1.046,60.436 h1
  text "55 Ohm" at 13.354,60.436 h1
  text "4.99mil" at 25.754,60.436 h1
  text "Diff-Wires" at -1.046,55.77 h1
  text "100 Ohm" at 13.354,55.77 h1
  text "4.29mil" at 25.754,55.77 h1
  text "6.00mil" at 37.067,55.77 h1

## Text inside footprints (layer, text, board x,y; h text height)
U2: Top Overlay "A B C D E F G H J K L M N P R T U V W Y AA" at 17.023,9.253 h0.33; Top Overlay "1 2 3 4 5 6 7 8 9 0 1 2 3 4 5 6 7 8 9 0 1" at 16.134,10.523 h0.33 r90